# KiCad board Type 1 Termination Board v3 design.kicad_pcb
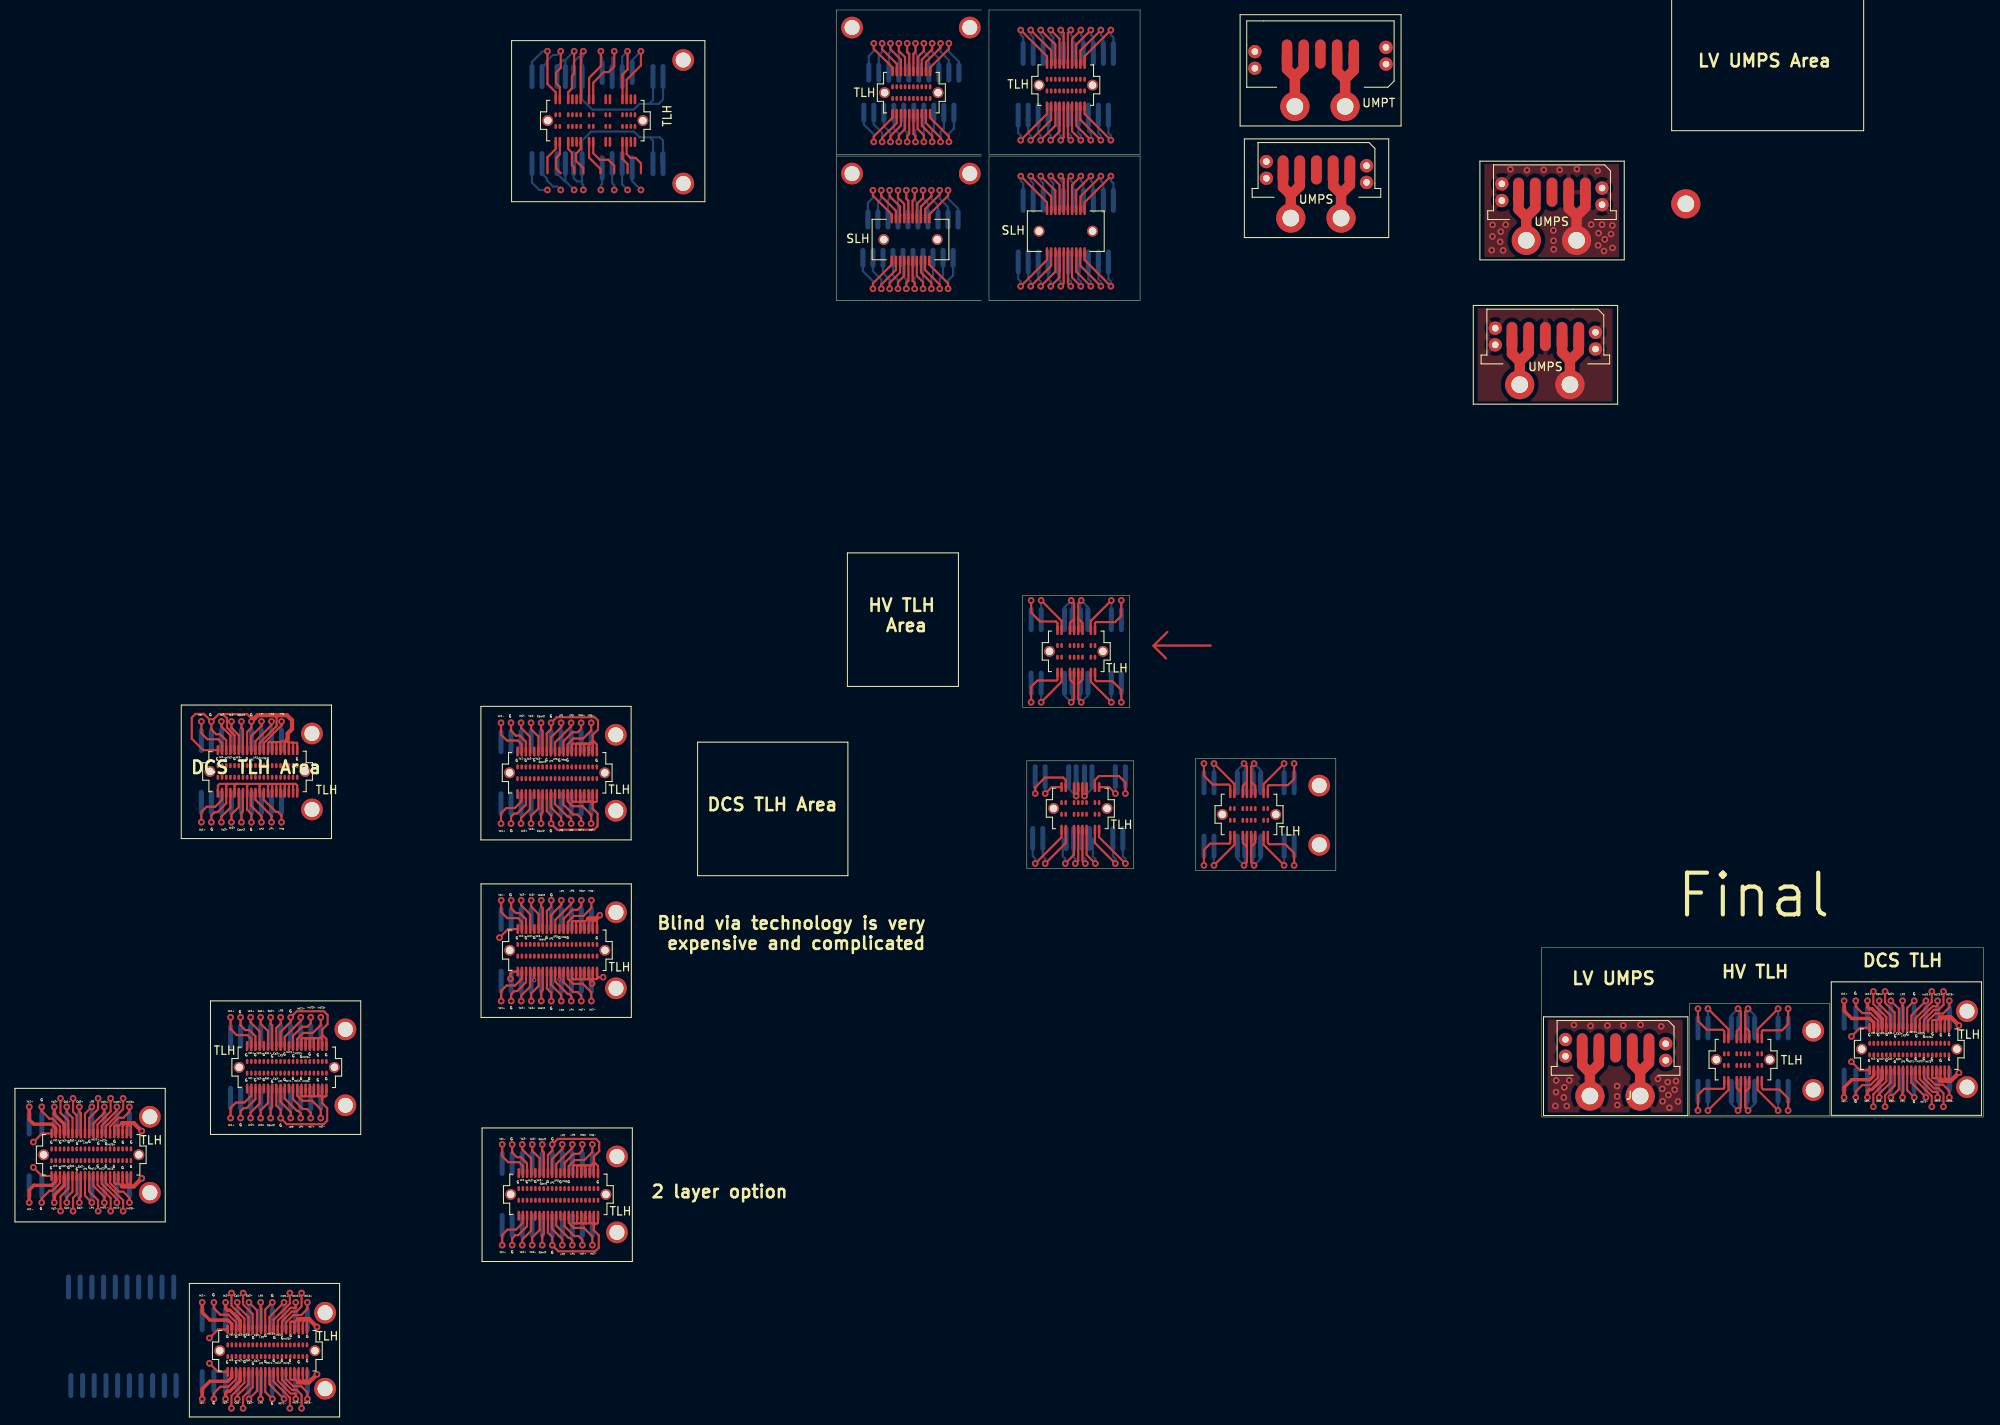
[diagram p0: board, top side]
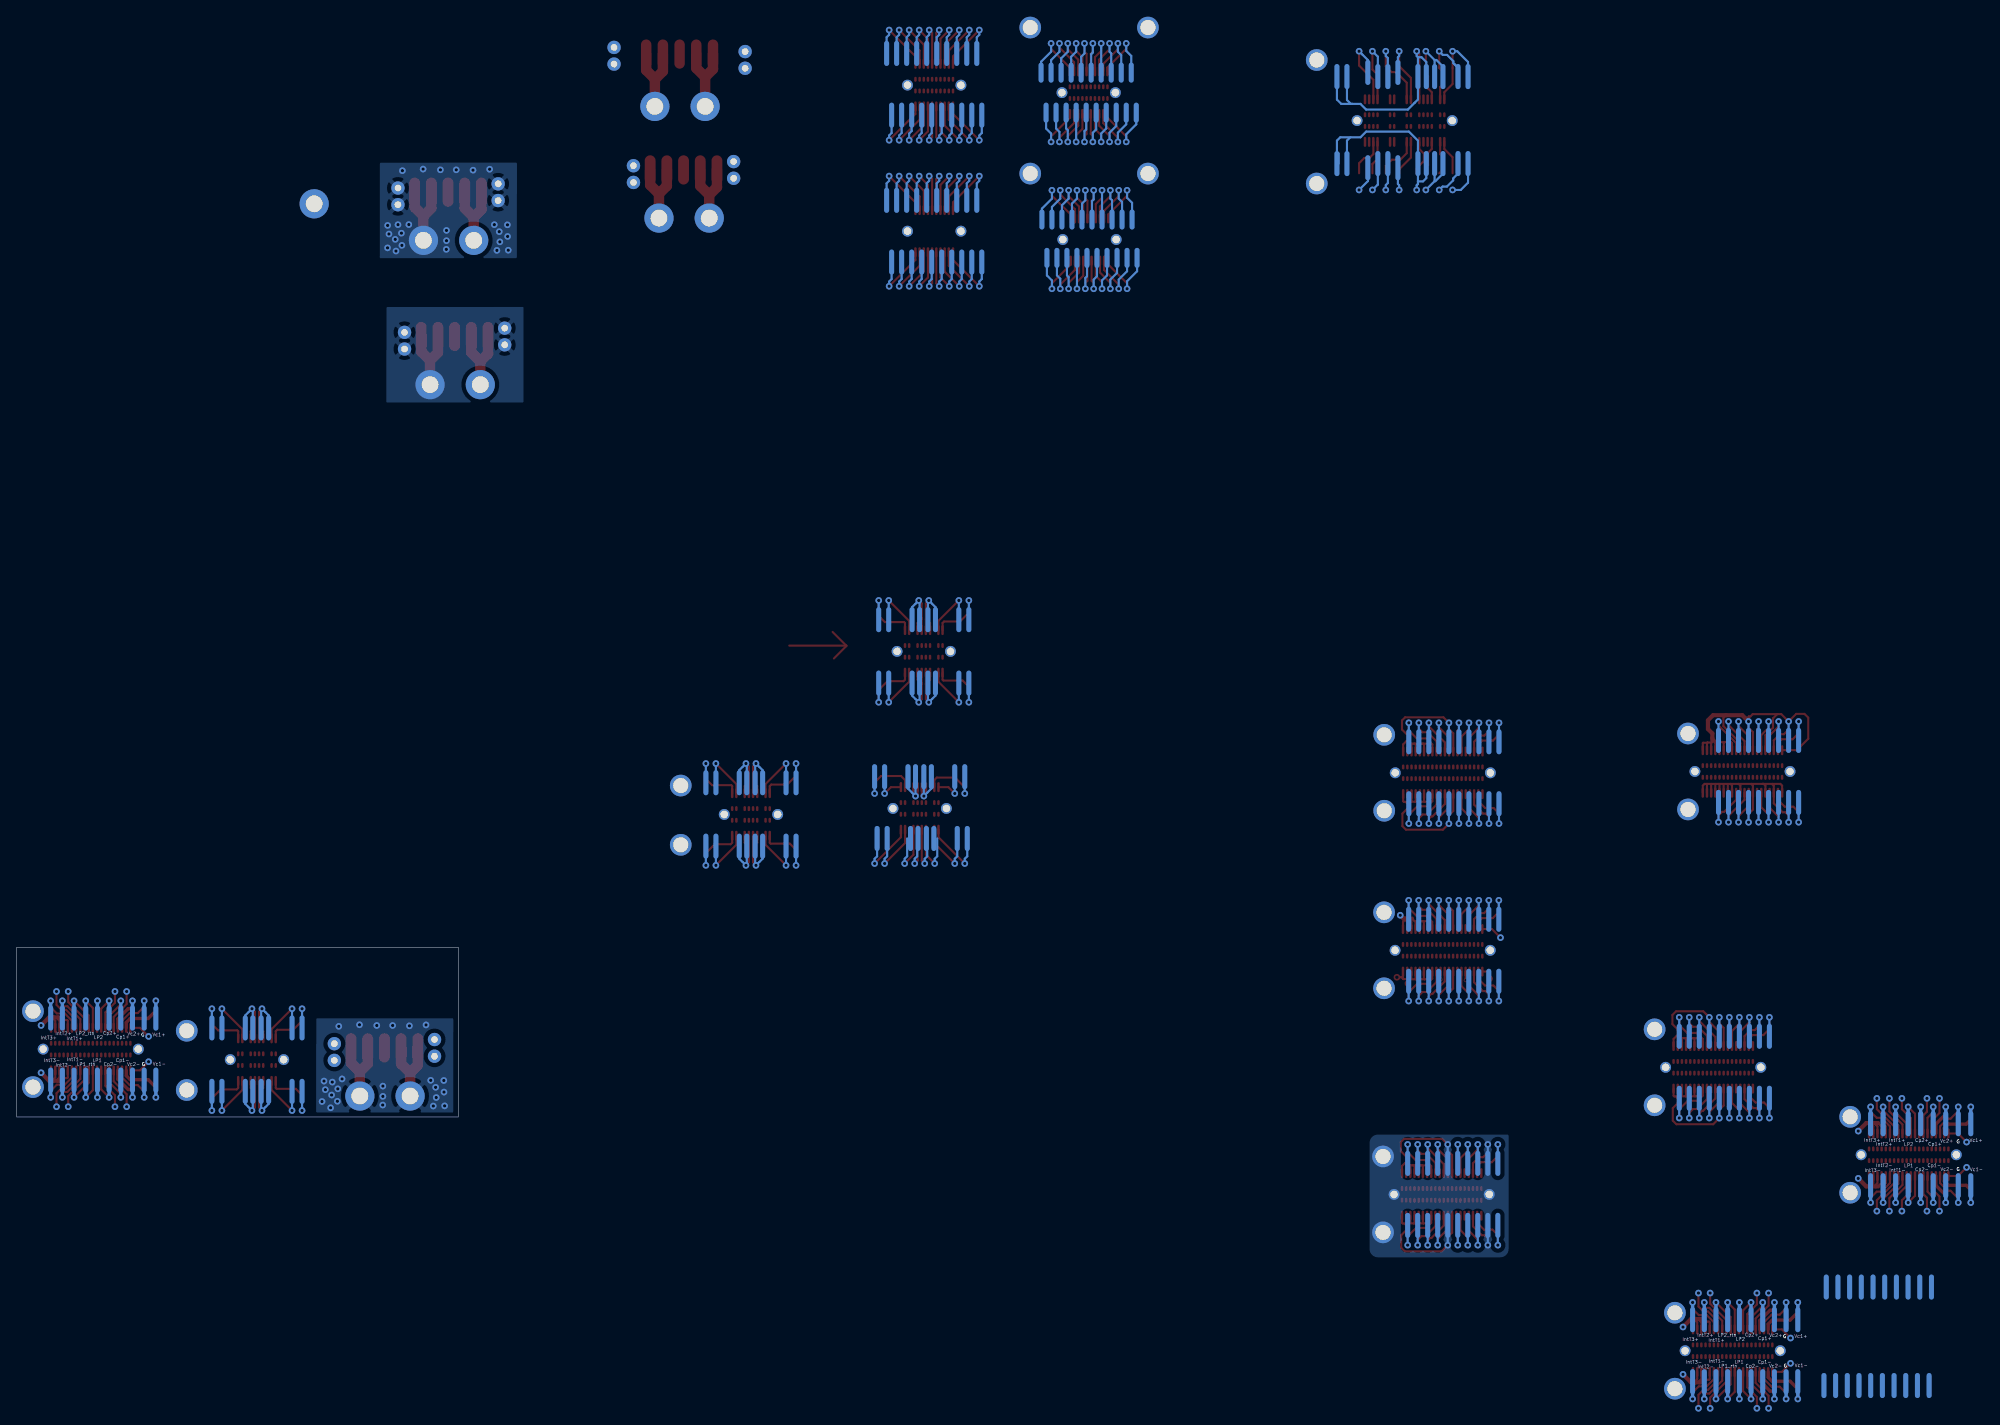
[diagram p1: board, bottom side, seen from below]

Outline 52.89 x 20.31 mm; copper layers: Top, InF.Cu (plane), InB.Cu (plane), Bottom. Coordinates in mm from the lower left corner of the outline.
Outline path: 0,0 0,20.31 52.89,20.31 52.89,0 0,0

## Placement (name value [footprint] x y rotation side)
J2  Conn_01x01_Female  [14AWG_THT#2]  5.75 -2.6 0 top
J3  Conn_01x01_Female  [14AWG_THT]  5.77 2.51 0 top
J4  Conn_01x05  [UMPS 5 Pin]  8.83 8.28 180 top
Pad_Array_4  -  [Pad_Array_4]  -113.07 114.37 0 bottom
Pad_Array_4#2  Pad_Array_4  [Pad_Array_4#2]  -113.07 124.67 0 bottom
REF**  -  [PEEK_screw]  -68.51 130.54 0 top
REF**#2  SLH  [SLH (mp)]  -57.01 106.14 0 top
REF**#3  TLH  [TLH (mp)]  -75.51 122.74 0 top
REF**#4  -  [PEEK_screw]  -68.51 113.04 0 top
REF**#5  SLH  [SLH (mp)]  -75.61 105.14 0 top
REF**#6  TLH  [TLH (mp)]  -57.01 123.64 0 top
REF**#7  -  [PEEK_screw]  -82.61 113.04 0 top
REF**#8  -  [PEEK_screw]  -82.61 130.54 0 top
REF**#9  -  [14AWG_THT]  -30.06 107.71 0 top
REF**#10  -  [14AWG_THT]  -24.04 107.71 0 top
REF**#11  -  [14AWG_THT]  -23.55 121.09 0 top
REF**#12  -  [14AWG_THT]  -29.57 121.09 0 top
REF**#13  -  [14AWG_THT]  -1.85 105.04 0 top
REF**#14  -  [14AWG_THT]  4.17 105.04 0 top
REF**#15  -  [14AWG_THT]  17.26 109.42 90 top
REF**#16  -  [PEEK_screw]  -102.83 111.85 0 top
REF**#17  -  [PEEK_screw]  -102.83 126.65 0 top
REF**#18  -  [PEEK_screw]  -110.91 36.69 90 top
REF**#19  -  [PEEK_screw]  -110.91 45.79 90 top
REF**#20  -  [PEEK_screw]  -147.3 36.85 90 top
REF**#21  -  [PEEK_screw]  -147.3 45.95 90 top
REF**#22  -  [PEEK_screw]  -143.3 1.4 90 top
REF**#23  -  [PEEK_screw]  -143.3 10.5 90 top
REF**#24  -  [PEEK_screw]  -26.65 32.61 90 top
REF**#25  -  [PEEK_screw]  -26.65 39.71 90 top
REF**#26  -  [14AWG_THT]  -2.64 87.75 0 top
REF**#27  -  [14AWG_THT]  3.38 87.75 0 top
REF**#28  -  [PEEK_screw]  -110.89 24.52 90 top
REF**#29  -  [PEEK_screw]  -110.89 15.42 90 top
REF**#30  -  [PEEK_screw]  -110.77 -4.73 90 top
REF**#31  -  [PEEK_screw]  -110.77 -13.83 90 top
REF**#32  -  [PEEK_screw]  32.52 3.23 90 top
REF**#33  -  [PEEK_screw]  32.52 10.33 90 top
REF**#34  -  [PEEK_screw]  -166.72 0.02 90 top
REF**#35  -  [PEEK_screw]  -166.72 -9.08 90 top
REF**#36  PEEK_screw  [PEEK_screw#2]  -145.73 -23.46 90 top
REF**#37  PEEK_screw  [PEEK_screw#3]  -145.73 -32.56 90 top
REF**#38  PEEK_screw  [PEEK_screw#3]  50.94 3.58 90 top
REF**#39  PEEK_screw  [PEEK_screw#2]  50.94 12.68 90 top
REF**#40  -  [Pad_Array_2]  -75.81 120.34 0 bottom
REF**#41  -  [Pad_Array_2#10]  -56.71 127.44 0 bottom
REF**#42  -  [Pad_Array_2#10]  -57.31 102.44 0 bottom
REF**#43  -  [Pad_Array_2]  -75.21 125.14 0 bottom
REF**#44  -  [Pad_Array_2#10]  -56.71 109.84 0 bottom
REF**#45  -  [Pad_Array_2]  -75.91 102.94 0 bottom
REF**#46  -  [Pad_Array_2#10]  -57.31 120.04 0 bottom
REF**#47  -  [Pad_Array_2]  -75.31 107.54 0 bottom
REF**#48  Pad_Array_2  [Pad_Array_2#2]  -55.27 40.77 0 bottom
REF**#49  Pad_Array_2  [Pad_Array_2#2]  -55.57 33.37 0 bottom
REF**#50  Pad_Array_2  [Pad_Array_2#2]  -55.76 59.59 0 bottom
REF**#51  Pad_Array_2  [Pad_Array_2#2]  -55.76 51.99 180 bottom
REF**#52  -  [Pad_Array_2#10]  -119.26 37.53 0 bottom
REF**#53  -  [Pad_Array_2#10]  -119.26 44.96 0 bottom
REF**#54  Pad_Array_2  [Pad_Array_2#3]  -155.15 37.69 0 bottom
REF**#55  Pad_Array_2  [Pad_Array_2#3]  -155.15 45.12 0 bottom
REF**#56  -  [Pad_Array_2#10]  -151.65 9.67 0 bottom
REF**#57  -  [Pad_Array_2#10]  -151.65 2.24 0 bottom
REF**#58  Pad_Array_2  [Pad_Array_2#2]  -35.06 32.45 180 bottom
REF**#59  Pad_Array_2  [Pad_Array_2#2]  -35.06 40.05 0 bottom
REF**#60  -  [Pad_Array_2#10]  -119.24 23.69 0 bottom
REF**#61  -  [Pad_Array_2#10]  -119.24 16.26 0 bottom
REF**#62  -  [Pad_Array_2#10]  -119.12 -5.56 0 bottom
REF**#63  -  [Pad_Array_2#10]  -119.12 -12.99 0 bottom
REF**#64  Pad_Array_2  [Pad_Array_2#4]  24.11 3.07 180 bottom
REF**#65  Pad_Array_2  [Pad_Array_2#2]  24.11 10.67 0 bottom
REF**#66  Pad_Array_2  [Pad_Array_2#5]  -175.17 -8.24 0 bottom
REF**#67  Pad_Array_2  [Pad_Array_2#6]  -175.17 -0.81 0 bottom
REF**#68  Pad_Array_2  [Pad_Array_2#7]  -155.05 -24.29 0 bottom
REF**#69  Pad_Array_2  [Pad_Array_2#8]  -170.78 -32.18 0 bottom
REF**#70  Pad_Array_2  [Pad_Array_2#7]  -171.06 -20.38 0 bottom
REF**#71  Pad_Array_2  [Pad_Array_2#9]  41.62 4.42 0 bottom
REF**#72  Pad_Array_2  [Pad_Array_2#7]  41.62 11.85 0 bottom
REF**#73  Pad_Array_2  [Pad_Array_2#9]  -155.05 -31.72 0 bottom
TLH  -  [19-1_TLH_HV]  -55.76 55.79 0 top
TLH#2  -  [19-1_TLH_HV]  -55.27 36.97 0 top
TLH#3  19-2  [19-2 TLH]  -113.36 119.39 90 top
TLH#4  20 Pin  [TLH 20 Pin]  -117.93 41.24 180 top
TLH#5  20 Pin  [TLH 20 Pin]  -153.82 41.4 180 top
TLH#6  20 Pin  [TLH 20 Pin#2]  -150.32 5.95 0 top
TLH#7  -  [19-1_TLH_HV]  -35.06 36.25 0 top
TLH#8  20 Pin  [TLH 20 Pin]  -117.91 19.97 180 top
TLH#9  20 Pin  [TLH 20 Pin]  -117.79 -9.28 180 top
TLH#10  -  [19-1_TLH_HV]  24.11 6.87 0 top
TLH#11  20 Pin  [TLH 20 Pin#2]  -173.74 -4.53 0 top
TLH#12  20 Pin  [TLH 20 Pin#2]  -152.65 -28.01 0 top
TLH#13  20 Pin  [TLH 20 Pin#2]  44.02 8.13 0 top
UMPS  5 Pin  [UMPS 5 Pin]  -27 113.48 180 top
UMPS#2  5 Pin  [UMPS 5 Pin]  1.21 110.81 180 top
UMPS#3  5 Pin  [UMPS 5 Pin]  0.42 93.52 180 top
UMPT  5 Pin  [UMPT 5 Pin]  -26.51 127.36 0 top

## Footprints (pads in the part's own frame, mm; a bottom-side part is the same pattern mirrored in y, then rotated)
14AWG_THT
  round 3.5 hole 2: 1(0,0)
14AWG_THT#2
  round 3.5 hole 2: 1(6.04,5.11)
19-1_TLH_HV
  oval 0.3x1.2 smd: 1(2.25,2.55) 2(1.75,2.55) 4(0.75,2.55) 5(0.25,2.55) 6(-0.25,2.55) 7(-0.75,2.55) 9(-1.75,2.55) 10(-2.25,2.55) 11(2.25,-2.55) 12(1.75,-2.55) 14(0.75,-2.55) 15(0.25,-2.55) 16(-0.25,-2.55) 17(-0.75,-2.55) 19(-1.75,-2.55) 20(-2.25,-2.55)
  oval 0.3x0.6 smd: 1(2.25,0.7) 2(1.75,0.7) 4(0.75,0.7) 5(0.25,0.7) 6(-0.25,0.7) 7(-0.75,0.7) 9(-1.75,0.7) 10(-2.25,0.7) 11(2.25,-0.7) 12(1.75,-0.7) 14(0.75,-0.7) 15(0.25,-0.7) 16(-0.25,-0.7) 17(-0.75,-0.7) 19(-1.75,-0.7) 20(-2.25,-0.7)
  round 1.3 hole 0.9: 21(-3.2,0) 22(3.2,0)
19-2 TLH
  oval 0.6x0.3 smd: 1(0.7,4.75) 2(-0.7,4.75) 3(0.7,4.25) 4(-0.7,4.25) 7(0.7,3.25) 8(-0.7,3.25) 9(0.7,2.75) 10(-0.7,2.75) 11(0.7,2.25) 12(-0.7,2.25) 13(0.7,1.75) 14(-0.7,1.75) 17(0.7,0.75) 18(-0.7,0.75) 19(0.7,0.25) 20(-0.7,0.25) 25(0.7,-1.25) 26(-0.7,-1.25) 27(0.7,-1.75) 28(-0.7,-1.75) 33(0.7,-3.25) 34(-0.7,-3.25) 35(0.7,-3.75) 36(-0.7,-3.75) 37(0.7,-4.25) 38(-0.7,-4.25) 39(0.7,-4.75) 40(-0.7,-4.75)
  oval 1.2x0.3 smd: 1(2.55,4.75) 2(-2.55,4.75) 3(2.55,4.25) 4(-2.55,4.25) 7(2.55,3.25) 8(-2.55,3.25) 9(2.55,2.75) 10(-2.55,2.75) 11(2.55,2.25) 12(-2.55,2.25) 13(2.55,1.75) 14(-2.55,1.75) 17(2.55,0.75) 18(-2.55,0.75) 19(2.55,0.25) 20(-2.55,0.25) 25(2.55,-1.25) 26(-2.55,-1.25) 27(2.55,-1.75) 28(-2.55,-1.75) 33(2.55,-3.25) 34(-2.55,-3.25) 35(2.55,-3.75) 36(-2.55,-3.75) 37(2.55,-4.25) 38(-2.55,-4.25) 39(2.55,-4.75) 40(-2.55,-4.75)
  round 1.3 hole 0.9: 41(0,5.699) 42(0,-5.702)
Pad_Array_2
  oval 0.6x2.4 smd: 1(-5.4,0) 2(-4.2,0) 3(-3,0) 4(-1.8,0) 5(-0.6,0) 6(0.6,0) 7(1.8,0) 8(3,0) 9(4.2,0) 10(5.4,0)
Pad_Array_2#10
  oval 0.6x3 smd: 1(-5.4,0) 2(-4.2,0) 3(-3,0) 4(-1.8,0) 5(-0.6,0) 6(0.6,0) 7(1.8,0) 8(3,0) 9(4.2,0) 10(5.4,0)
Pad_Array_2#2
  oval 0.6x3 smd: 1(-5.4,0) 2(-4.2,0) 4(-1.4,0) 5(-0.5,0) 6(0.5,0) 7(1.4,0) 9(4.2,0) 10(5.4,0)
Pad_Array_2#3
  oval 0.6x3 smd: 1(-5.4,0) 2(-4.2,0) 3(-3,0) 4(-1.8,0) 5(-0.6,0) 6(0.6,0) 7(1.8,0) 8(3,0) 9(4.2,0)
Pad_Array_2#4
  oval 0.6x3 smd: 1(-5.4,0) 2(-4.2,0) 11(5.4,0) 12(4.2,0) 13(1.4,0) 14(0.5,0) 15(-0.5,0) 16(-1.4,0)
Pad_Array_2#5
  oval 0.6x3 smd: 4(-6,0) 6(-4.5,0) 8(-3,0) 12(-1.5,0) 16(0,0) 18(1.5,0) 22(3,0) 26(4.5,0) 30(6,0)
Pad_Array_2#6
  oval 0.6x3 smd: 3(-6,0) 5(-4.5,0) 7(-3,0) 11(-1.5,0) 15(0,0) 17(1.5,0) 21(3,0) 25(4.5,0) 29(6,0)
Pad_Array_2#7
  oval 0.6x3 smd: 3(-5.4,0) 5(-4,0) 7(-2.6,0) 11(-1.2,0) 15(0.2,0) 17(1.6,0) 19(3,0) 21(4.4,0) 25(5.8,0) 29(7.2,0)
Pad_Array_2#8
  oval 0.6x3 smd: 1(-5.4,0) 2(-4,0) 3(-2.6,0) 4(-1.2,0) 5(0.2,0) 6(1.6,0) 7(3,0) 8(4.4,0) 9(5.8,0) 10(7.2,0)
Pad_Array_2#9
  oval 0.6x3 smd: 4(-5.4,0) 6(-4,0) 8(-2.6,0) 12(-1.2,0) 16(0.2,0) 18(1.6,0) 20(3,0) 22(4.4,0) 26(5.8,0) 30(7.2,0)
Pad_Array_4
  oval 0.6x3 smd: 1(-7.875,0.125) 2(-6.675,0.125) 3(-4.875,0.125) 4(-3.875,0.125) 5(-2.875,0.125) 6(-1.875,0.125) 7(0.525,0.625) 8(1.725,0.125) 9(2.925,0.125) 10(4.125,0.625) 11(6.625,0.125) 12(7.825,0.125)
Pad_Array_4#2
  oval 0.6x3 smd: 1(-7.875,0) 2(-6.675,0) 3(-4.875,0) 4(-3.875,0) 5(-2.875,0) 6(-1.875,0) 7(0.525,-0.5) 8(1.725,0) 9(2.925,0) 10(4.125,-0.5) 11(6.625,0) 12(7.825,0)
PEEK_screw
  round 2.6 hole 1.8: 1(0,0)
PEEK_screw#2
  round 2.6 hole 1.8: 43(0,0)
PEEK_screw#3
  round 2.6 hole 1.8: 44(0,0)
SLH (mp)
  oval 0.3x1.2 smd: 1(-2.25,2.525) 2(-1.75,2.525) 3(-1.25,2.525) 4(-0.75,2.525) 5(-0.25,2.525) 6(0.25,2.525) 7(0.75,2.525) 8(1.25,2.525) 9(1.75,2.525) 10(2.25,2.525) 11(-2.25,-2.525) 12(-1.75,-2.525) 13(-1.25,-2.525) 14(-0.75,-2.525) 15(-0.25,-2.525) 16(0.25,-2.525) 17(0.75,-2.525) 18(1.25,-2.525) 19(1.75,-2.525) 20(2.25,-2.525)
  round 1.3 hole 0.9: 21(-3.2,0) 22(3.2,0)
TLH 20 Pin
  oval 0.3x1.2 smd: 1(4.752,2.55) 2(4.252,2.55) 3(3.752,2.55) 4(3.252,2.55) 5(2.752,2.55) 6(2.252,2.55) 7(1.752,2.55) 8(1.252,2.55) 9(0.751,2.55) 10(0.252,2.55) 11(-0.248,2.55) 12(-0.749,2.55) 13(-1.248,2.55) 14(-1.748,2.55) 15(-2.248,2.55) 16(-2.748,2.55) 17(-3.248,2.55) 18(-3.748,2.55) 19(-4.248,2.55) 20(-4.748,2.55) 21(4.752,-2.55) 22(4.252,-2.55) 23(3.752,-2.55) 24(3.252,-2.55) 25(2.752,-2.55) 26(2.252,-2.55) 27(1.752,-2.55) 28(1.252,-2.55) 29(0.751,-2.55) 30(0.252,-2.55) 31(-0.248,-2.55) 32(-0.749,-2.55) 33(-1.248,-2.55) 34(-1.748,-2.55) 35(-2.248,-2.55) 36(-2.748,-2.55) 37(-3.248,-2.55) 38(-3.748,-2.55) 39(-4.248,-2.55) 40(-4.748,-2.55)
  oval 0.3x0.6 smd: 1(4.752,0.7) 2(4.252,0.7) 3(3.752,0.7) 4(3.252,0.7) 5(2.752,0.7) 6(2.252,0.7) 7(1.752,0.7) 8(1.252,0.7) 9(0.751,0.7) 10(0.252,0.7) 11(-0.248,0.7) 12(-0.749,0.7) 13(-1.248,0.7) 14(-1.748,0.7) 15(-2.248,0.7) 16(-2.748,0.7) 17(-3.248,0.7) 18(-3.748,0.7) 19(-4.248,0.7) 20(-4.748,0.7) 21(4.752,-0.7) 22(4.252,-0.7) 23(3.752,-0.7) 24(3.252,-0.7) 25(2.752,-0.7) 26(2.252,-0.7) 27(1.752,-0.7) 28(1.252,-0.7) 29(0.751,-0.7) 30(0.252,-0.7) 31(-0.248,-0.7) 32(-0.749,-0.7) 33(-1.248,-0.7) 34(-1.748,-0.7) 35(-2.248,-0.7) 36(-2.748,-0.7) 37(-3.248,-0.7) 38(-3.748,-0.7) 39(-4.248,-0.7) 40(-4.748,-0.7)
  round 1.3 hole 0.9: 41(-5.699,0) 42(5.702,0)
TLH 20 Pin#2
  oval 0.3x1.2 smd: 1(-4.748,2.55) 2(-4.748,-2.55) 3(-4.248,2.55) 4(-4.248,-2.55) 5(-3.748,2.55) 6(-3.748,-2.55) 7(-3.248,2.55) 8(-3.248,-2.55) 9(-2.748,2.55) 10(-2.748,-2.55) 11(-2.248,2.55) 12(-2.248,-2.55) 13(-1.748,2.55) 14(-1.748,-2.55) 15(-1.248,2.55) 16(-1.248,-2.55) 17(-0.749,2.55) 18(-0.749,-2.55) 19(-0.248,2.55) 20(-0.248,-2.55) 21(0.252,2.55) 22(0.252,-2.55) 23(0.751,2.55) 24(0.751,-2.55) 25(1.252,2.55) 26(1.252,-2.55) 27(1.752,2.55) 28(1.752,-2.55) 29(2.252,2.55) 30(2.252,-2.55) 31(2.752,2.55) 32(2.752,-2.55) 33(3.252,2.55) 34(3.252,-2.55) 35(3.752,2.55) 36(3.752,-2.55) 37(4.252,2.55) 38(4.252,-2.55) 39(4.752,2.55) 40(4.752,-2.55)
  oval 0.3x0.6 smd: 1(-4.748,0.7) 2(-4.748,-0.7) 3(-4.248,0.7) 4(-4.248,-0.7) 5(-3.748,0.7) 6(-3.748,-0.7) 7(-3.248,0.7) 8(-3.248,-0.7) 9(-2.748,0.7) 10(-2.748,-0.7) 11(-2.248,0.7) 12(-2.248,-0.7) 13(-1.748,0.7) 14(-1.748,-0.7) 15(-1.248,0.7) 16(-1.248,-0.7) 17(-0.749,0.7) 18(-0.749,-0.7) 19(-0.248,0.7) 20(-0.248,-0.7) 21(0.252,0.7) 22(0.252,-0.7) 23(0.751,0.7) 24(0.751,-0.7) 25(1.252,0.7) 26(1.252,-0.7) 27(1.752,0.7) 28(1.752,-0.7) 29(2.252,0.7) 30(2.252,-0.7) 31(2.752,0.7) 32(2.752,-0.7) 33(3.252,0.7) 34(3.252,-0.7) 35(3.752,0.7) 36(3.752,-0.7) 37(4.252,0.7) 38(4.252,-0.7) 39(4.752,0.7) 40(4.752,-0.7)
  round 1.3 hole 0.9: 41(-5.699,0) 42(5.702,0)
TLH (mp)
  oval 0.3x1.2 smd: 1(2.25,2.55) 2(1.75,2.55) 3(1.25,2.55) 4(0.75,2.55) 5(0.25,2.55) 6(-0.25,2.55) 7(-0.75,2.55) 8(-1.25,2.55) 9(-1.75,2.55) 10(-2.25,2.55) 11(2.25,-2.55) 12(1.75,-2.55) 13(1.25,-2.55) 14(0.75,-2.55) 15(0.25,-2.55) 16(-0.25,-2.55) 17(-0.75,-2.55) 18(-1.25,-2.55) 19(-1.75,-2.55) 20(-2.25,-2.55)
  oval 0.3x0.6 smd: 1(2.25,0.7) 2(1.75,0.7) 3(1.25,0.7) 4(0.75,0.7) 5(0.25,0.7) 6(-0.25,0.7) 7(-0.75,0.7) 8(-1.25,0.7) 9(-1.75,0.7) 10(-2.25,0.7) 11(2.25,-0.7) 12(1.75,-0.7) 13(1.25,-0.7) 14(0.75,-0.7) 15(0.25,-0.7) 16(-0.25,-0.7) 17(-0.75,-0.7) 18(-1.25,-0.7) 19(-1.75,-0.7) 20(-2.25,-0.7)
  round 1.3 hole 0.9: 21(-3.2,0) 22(3.2,0)
UMPS 5 Pin
  oval 1.3x3.5 smd: 1(-4.014,0.001) 2(-2.014,0.001) 3(-0.014,0.001) 4(1.986,0.001) 5(3.986,0.001)
  round 1.6 hole 0.8: 6(-6.014,1.501) 7(-6.014,-0.499) 8(5.986,1.001) 9(5.986,-0.999)
UMPT 5 Pin
  oval 1.25x3.5 smd: 1(4,0) 2(2,0) 3(0,0) 4(-2,0) 5(-4,0)
  round 1.6 hole 0.8: 6(-7.85,0.3) 7(-7.85,-1.7) 8(7.85,0.8) 9(7.85,-1.2)

## Nets
GND: J2.1 J3.1 REF**#14.1 REF**#22.1 REF**#23.1 REF**#27.1 REF**#28.1 REF**#29.1 REF**#30.1 REF**#31.1 REF**#34.1 REF**#35.1 REF**#36.43 REF**#37.44 REF**#56.2 REF**#56.7 REF**#57.2 REF**#57.6 REF**#60.2 REF**#60.6 REF**#61.2 REF**#61.6 REF**#62.2 REF**#62.6 REF**#63.2 REF**#63.6 REF**#66.6 REF**#67.5 REF**#68.5 REF**#68.19 REF**#73.6 REF**#73.20 TLH#6.3 TLH#6.8 TLH#6.15 TLH#6.17 TLH#6.18 TLH#6.19 TLH#6.34 TLH#6.35 TLH#6.36 TLH#6.37 TLH#6.39 TLH#8.1 TLH#8.3 TLH#8.5 TLH#8.8 TLH#8.11 TLH#8.14 TLH#8.15 TLH#8.16 TLH#8.17 TLH#8.18 TLH#8.19 TLH#8.20 TLH#8.21 TLH#8.23 TLH#8.25 TLH#8.28 TLH#8.31 TLH#8.34 TLH#8.35 TLH#8.36 TLH#8.37 TLH#8.38 TLH#8.39 TLH#8.40 TLH#8.41 TLH#8.42 TLH#9.3 TLH#9.8 TLH#9.14 TLH#9.15 TLH#9.16 TLH#9.17 TLH#9.18 TLH#9.19 TLH#9.20 TLH#9.23 TLH#9.28 TLH#9.34 TLH#9.35 TLH#9.36 TLH#9.37 TLH#9.38 TLH#9.39 TLH#9.40 TLH#9.41 TLH#9.42 TLH#11.1 TLH#11.2 TLH#11.5 TLH#11.6 TLH#11.9 TLH#11.10 TLH#11.13 TLH#11.14 TLH#11.19 TLH#11.20 TLH#11.23 TLH#11.24 TLH#11.27 TLH#11.28 TLH#11.31 TLH#11.32 TLH#11.33 TLH#11.34 TLH#11.35 TLH#11.36 TLH#11.37 TLH#11.38 TLH#11.39 TLH#11.40 TLH#11.41 TLH#11.42 TLH#12.1 TLH#12.2 TLH#12.5 TLH#12.6 TLH#12.9 TLH#12.10 TLH#12.13 TLH#12.14 TLH#12.19 TLH#12.20 TLH#12.23 TLH#12.24 TLH#12.27 TLH#12.28 TLH#12.31 TLH#12.32 TLH#12.33 TLH#12.34 TLH#12.35 TLH#12.36 TLH#12.37 TLH#12.38 TLH#12.39 TLH#12.40 TLH#12.41 TLH#12.42 UMPS#2.1 UMPS#2.2 UMPS#2.6 UMPS#2.7 UMPS#2.8 UMPS#2.9 UMPS#3.3 UMPS#3.6 UMPS#3.7 UMPS#3.8 UMPS#3.9
/LV: REF**#13.1 UMPS#2.4 UMPS#2.5

Pads without a net: J4 1 2 3 4 5 6 7 8 9; Pad_Array_4 1 2 3 4 5 6 7 8 9 10 11 12; Pad_Array_4#2 1 2 3 4 5 6 7 8 9 10 11 12; REF** 1; REF**#2 1 2 3 4 5 6 7 8 9 10 11 12 13 14 15 16 17 18 19 20 21 22; REF**#3 1 2 3 4 5 6 7 8 9 10 11 12 13 14 15 16 17 18 19 20 21 22; REF**#4 1; REF**#5 1 2 3 4 5 6 7 8 9 10 11 12 13 14 15 16 17 18 19 20 21 22; REF**#6 1 2 3 4 5 6 7 8 9 10 11 12 13 14 15 16 17 18 19 20 21 22; REF**#7 1; REF**#8 1; REF**#9 1; REF**#10 1; REF**#11 1; REF**#12 1; REF**#15 1; REF**#16 1; REF**#17 1; REF**#18 1; REF**#19 1; REF**#20 1; REF**#21 1; REF**#24 1; REF**#25 1; REF**#26 1; REF**#32 1; REF**#33 1; REF**#38 44; REF**#39 43; REF**#40 1 2 3 4 5 6 7 8 9 10; REF**#41 1 2 3 4 5 6 7 8 9 10; REF**#42 1 2 3 4 5 6 7 8 9 10; REF**#43 1 2 3 4 5 6 7 8 9 10; REF**#44 1 2 3 4 5 6 7 8 9 10; REF**#45 1 2 3 4 5 6 7 8 9 10; REF**#46 1 2 3 4 5 6 7 8 9 10; REF**#47 1 2 3 4 5 6 7 8 9 10; REF**#48 1 2 4 5 6 7 9 10; REF**#49 1 2 4 5 6 7 9 10; REF**#50 1 2 4 5 6 7 9 10; REF**#51 1 2 4 5 6 7 9 10; REF**#52 1 2 3 4 5 6 7 8 9 10; REF**#53 1 2 3 4 5 6 7 8 9 10; REF**#54 1 2 3 4 5 6 7 8 9; REF**#55 1 2 3 4 5 6 7 8 9; REF**#56 1 3 4 5 6 8 9 10; REF**#57 1 3 4 5 7 8 9 10; REF**#58 1 2 4 5 6 7 9 10; REF**#59 1 2 4 5 6 7 9 10; REF**#60 1 3 4 5 7 8 9 10; REF**#61 1 3 4 5 7 8 9 10; REF**#62 1 3 4 5 7 8 9 10; REF**#63 1 3 4 5 7 8 9 10; REF**#64 1 2 11 12 13 14 15 16; REF**#65 1 2 4 5 6 7 9 10; REF**#66 4 8 12 16 18 22 26 30; REF**#67 3 7 11 15 17 21 25 29; REF**#68 3 7 11 15 17 21 25 29; REF**#69 1 2 3 4 5 6 7 8 9 10; REF**#70 3 5 7 11 15 17 19 21 25 29; REF**#71 4 6 8 12 16 18 20 22 26 30; REF**#72 3 5 7 11 15 17 19 21 25 29; REF**#73 4 8 12 16 18 22 26 30; TLH 1 2 4 5 6 7 9 10 11 12 14 15 16 17 19 20 21 22; TLH#2 1 2 4 5 6 7 9 10 11 12 14 15 16 17 19 20 21 22; TLH#3 1 2 3 4 7 8 9 10 11 12 13 14 17 18 19 20 25 26 27 28 33 34 35 36 37 38 39 40 41 42; TLH#4 1 2 3 4 5 6 7 8 9 10 11 12 13 14 15 16 17 18 19 20 21 22 23 24 25 26 27 28 29 30 31 32 33 34 35 36 37 38 39 40 41 42; TLH#5 1 2 3 4 5 6 7 8 9 10 11 12 13 14 15 16 17 18 19 20 21 22 23 24 25 26 27 28 29 30 31 32 33 34 35 36 37 38 39 40 41 42; TLH#6 1 2 4 5 6 7 9 10 11 12 13 14 16 20 21 22 23 24 25 26 27 28 29 30 31 32 33 38 40 41 42; TLH#7 1 2 4 5 6 7 9 10 11 12 14 15 16 17 19 20 21 22; TLH#8 2 4 6 7 9 10 12 13 22 24 26 27 29 30 32 33; TLH#9 1 2 4 5 6 7 9 10 11 12 13 21 22 24 25 26 27 29 30 31 32 33; TLH#10 1 2 4 5 6 7 9 10 11 12 14 15 16 17 19 20 21 22; TLH#11 3 4 7 8 11 12 15 16 17 18 21 22 25 26 29 30; TLH#12 3 4 7 8 11 12 15 16 17 18 21 22 25 26 29 30; TLH#13 1 2 3 4 5 6 7 8 9 10 11 12 13 14 15 16 17 18 19 20 21 22 23 24 25 26 27 28 29 30 31 32 33 34 35 36 37 38 39 40 41 42; UMPS 1 2 3 4 5 6 7 8 9; UMPS#2 3; UMPS#3 1 2 4 5; UMPT 1 2 3 4 5 6 7 8 9